# Altium PCB 线圈4.PcbDoc
Units mil, origin at the board's own origin, x right, y up, seen from the top; angles counter-clockwise.
Board outline 6000 x 4000 mil, 2 copper layers (Top Layer, Bottom Layer); 2 components, 2 nets, 7 pads, 1 vias.
Unrouted connection lines stored in the file: 1.
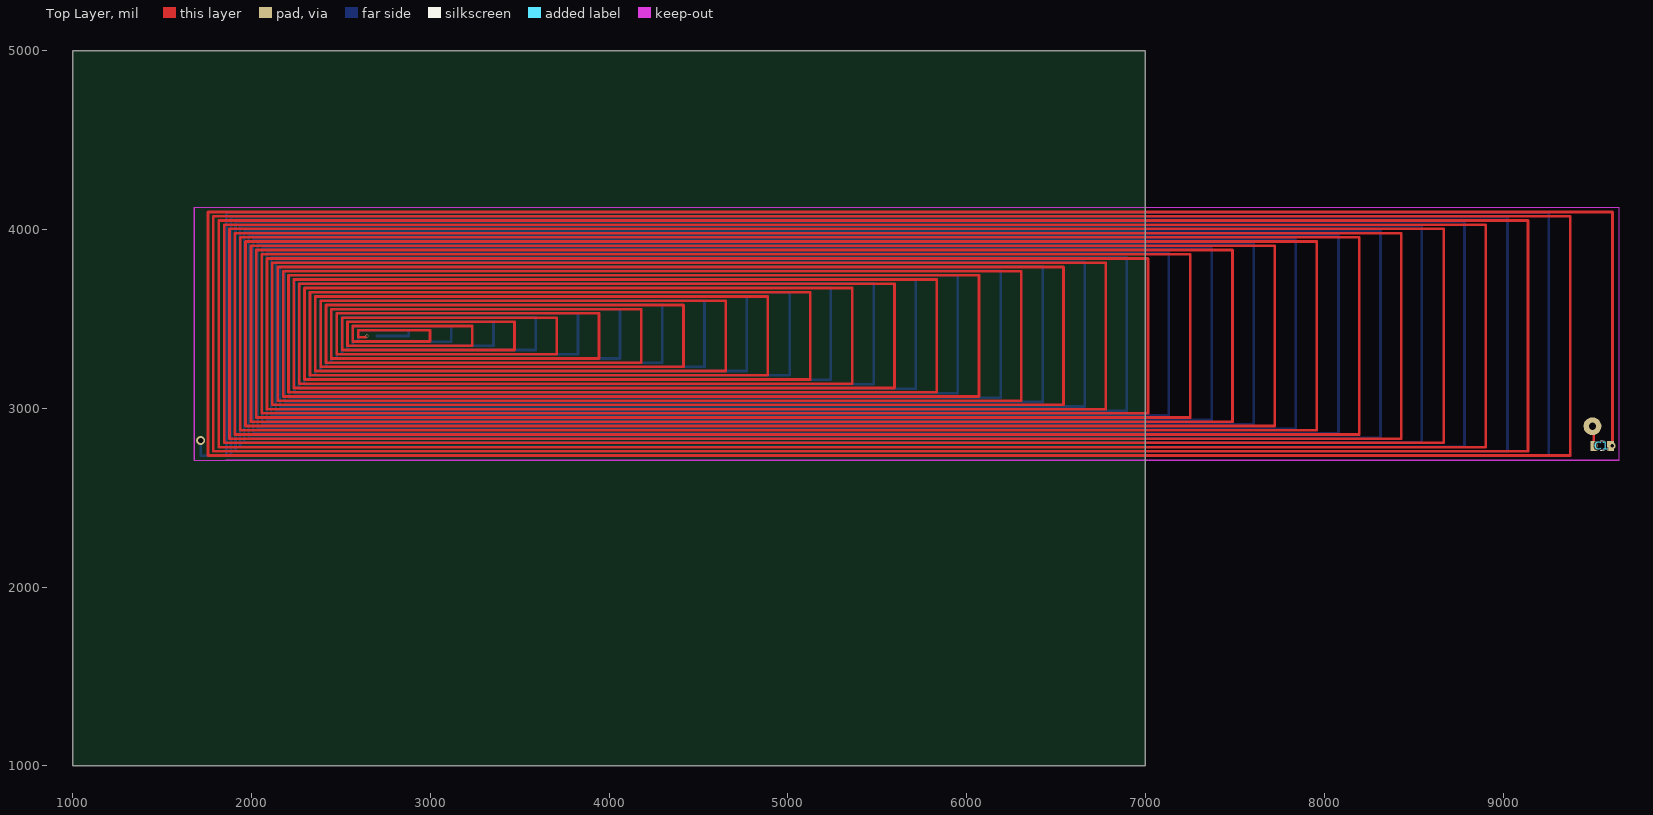
[diagram p0: Top Layer view]
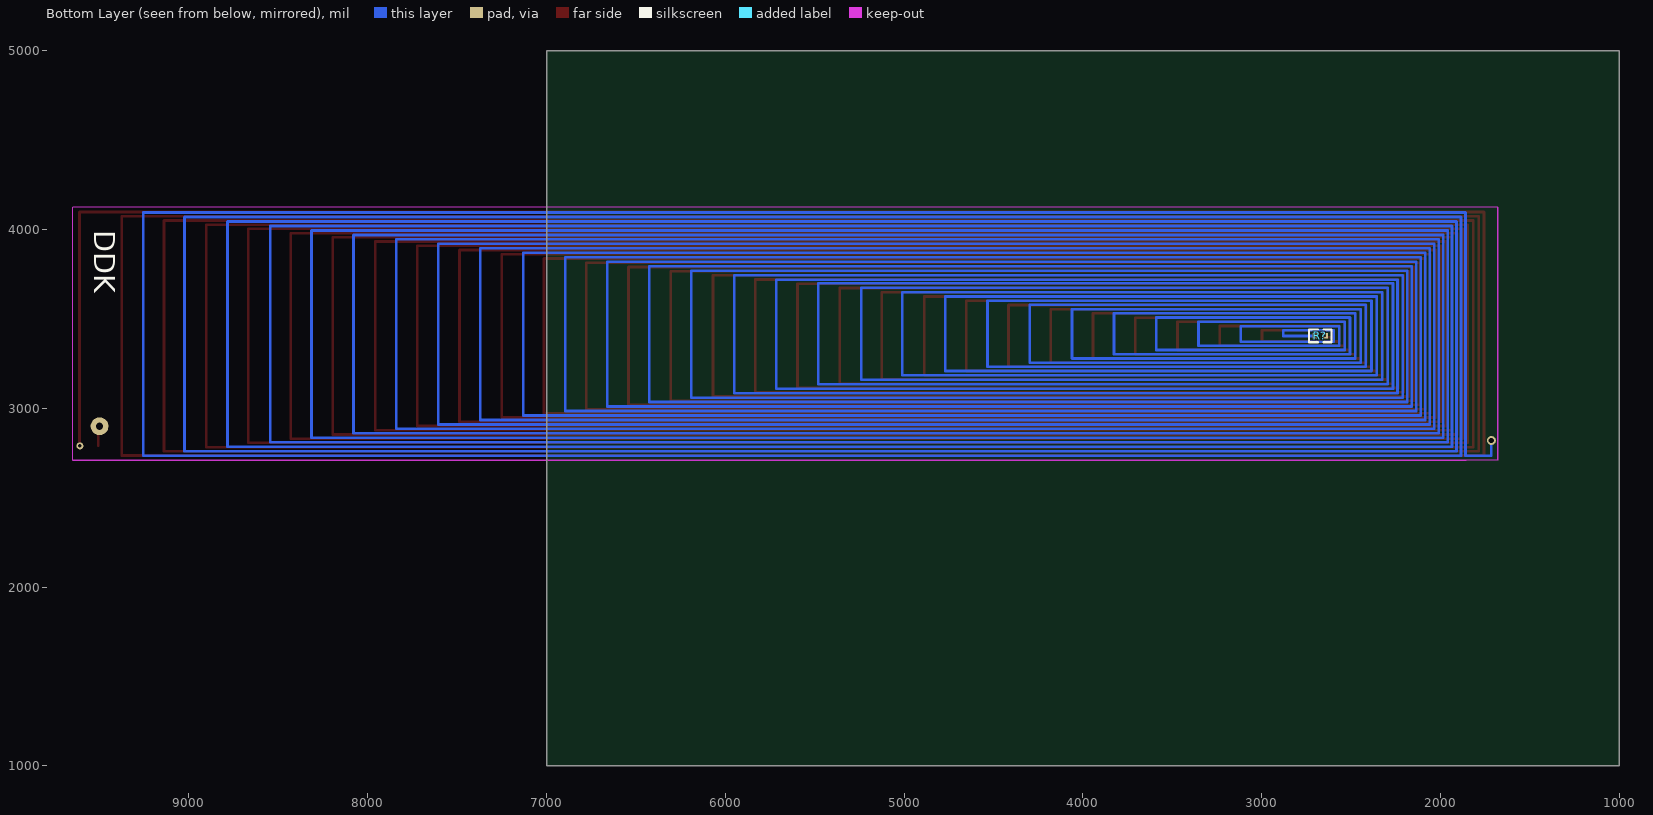
[diagram p1: Bottom Layer view, seen from below]

## Layer stack, top to bottom
Top Layer: signal copper 1.4
Dielectric: dielectric 12.6, FR-4, Dk 4.8
Bottom Layer: signal copper 1.4

## Board outline
1000,1000 7000,1000 7000,5000 1000,5000

## Design rules (kind name [scope] priority, off if disabled: settings)
Clearance [All] p1: gap=6
PolygonConnect [All] p1: connectstyle=Relief reliefconductorwidth=10 reliefentries=4 polygonreliefangle="90 Angle" airgapwidth=10
RoutingVias [All] p1: holewidth=28 width=50 viastyle="Through Hole" minholewidth=28 minwidth=50 maxholewidth=28 maxwidth=50
SolderMaskExpansion [All] p1: expansion=4
Width [All] p1: maxlimit=50 minlimit=6 preferedwidth=15 minimp=50.000000 maximp=50.000000 favimp=50.000000
28 further rules are at their usual default settings.

## Components (designator, comment, footprint, x,y, rotation, side; value= is the part's Value field where it differs from the comment)
C1 "Cap" C2012 9555,2790 r180 top
R? "Res2" 0603 2645,3405 r0 bottom

## Footprints (in the part's own frame and the unit in brackets; to place one, negate y for a bottom-side part, rotate by r counter-clockwise, add the part's x,y. Pads: shape width x height; smd on the part's side, far side on the other; paste and mask are expansions set on the pad)
0603 [mil]
  rect 30x30 smd: 1(0,0) 2(55,0)
  silkscreen extent -35,-35 90,35
C2012 [mm] "Chip Capacitor, 2-Leads, Body 2.0x1.2mm, IPC Low Density"
  rect 1x1.45 smd: 1(-1.2,0) 2(1.2,0)
  silkscreen extent -0.3,-0.63 0.3,0.63, body extent -0.98,-0.6 1.02,0.6, height 0.5

## Part data
C1: "Capacitor"
R?: "Resistor"

## Free pads (board coordinates)
  round 39.37 hole 19.68: 0(9610,2790)
  round 100 hole 40: 1(9500,2900)
  round 50 hole 30: 3(1715,2820)

## Via types
v1: diameter 18, hole 12, Top Layer to Bottom Layer, 1 vias

## Nets (pads, with @x,y where several pads share a name; then routed paths per layer and width w, separated by ;. In a path a pad name is that pad's centre, name@x,y a point inside that pad or via, vN(x,y) a via of type N, cw(c..) or ccw(c..) an arc to the next point about the centre after c; other vN are vias at no path point)
LINE1: C1.1 pad.0 R?.1 | length 273757.6
  Top Layer w15: 2476.6,3302.83 2476.6,3531.17 3943.21,3531.17 3943.21,3279.2 2446.6,3279.2 2446.6,3554.8 4179.43,3554.8 4179.43,3255.58 2416.6,3255.58 2416.6,3578.42 4415.65,3578.42 4415.65,3231.96 2386.6,3231.96 2386.6,3602.04 4651.87,3602.04 4651.87,3208.34 2356.6,3208.34 2356.6,3625.66 4888.09,3625.66 4888.09,3184.72 2326.6,3184.72 2326.6,3649.28 5124.31,3649.28 5124.31,3161.09 2296.6,3161.09 2296.6,3672.91 5360,3672.91 ; 2477,3303 3706.99,3303 3706.99,3507.55 2506.6,3507.55 2506.6,3326.45 3470.77,3326.45 3470.77,3483.93 ; v1(2645,3405) 2637.31,3397.31 2596.6,3397.31 2596.6,3436.68 2998.33,3436.68 2998.33,3373.69 2566.6,3373.69 2566.6,3460.31 3234.55,3460.31 3234.55,3350.07 2536.6,3350.07 2536.6,3483.93 3470,3483.93 ; 5360.54,3672.91 5360.54,3137.47 2266.6,3137.47 2266.6,3696.53 5596.76,3696.53 5596.76,3113.85 2236.6,3113.85 2236.6,3720.15 5832.98,3720.15 5832.98,3090.23 2206.6,3090.23 2206.6,3743.77 6069.2,3743.77 6069.2,3066.61 2176.6,3066.61 2176.6,3767.39 6305,3767.39 ; 6305.42,3767.39 6305.42,3042.98 2146.6,3042.98 2146.6,3791.02 6541.64,3791.02 6541.64,3019.36 2116.6,3019.36 2116.6,3814.64 6777.86,3814.64 6777.86,2995.74 2086.6,2995.74 2086.6,3838.26 7014.08,3838.26 7014.08,2972.12 2056.6,2972.12 2056.6,3861.88 7250.3,3861.88 7250.3,2948.5 2026.6,2948.5 2026.6,3885.5 7486.52,3885.5 7486.52,2924.87 1996.6,2924.87 1996.6,3909.13 7722.74,3909.13 7722.74,2901.25 1966.6,2901.25 1966.6,3932.75 7958.96,3932.75 7958.96,2877.63 1936.6,2877.63 1936.6,3956.37 8195,3956.37 ; 8195.18,3956.37 8195.18,2854.01 1906.6,2854.01 1906.6,3979.99 8431.4,3979.99 8431.4,2830.39 1876.6,2830.39 1876.6,4003.61 8667.62,4003.61 8667.62,2806.76 1846.6,2806.76 1846.6,4027.24 8903.84,4027.24 8903.84,2783.14 1816.6,2783.14 1816.6,4050.86 9140,4050.86 ; 9140.06,4050.86 9140.06,2759.52 1786.6,2759.52 1786.6,4074.48 9376.28,4074.48 9376.28,2735.9 1756.6,2735.9 1756.6,4098.1 9612.5,4098.1 pad.0@9612.5,2790
LINE2: C1.2 pad.1 pad.3 R?.2 | length 254879.5
  Top Layer w15: C1.2 pad.1@9507.76,2892.24
  Bottom Layer w15: pad.3@1730,2815 1715,2800 1715,2735 1860,2735 1860,4095 9255,4095 9255,2735 1885,2735 1885,4070 9025,4070 9025,2760 1910,2760 1910,4045 8785,4045 8785,2785 1935,2785 1935,4020 8545,4020 8545,2810 1960,2810 1960,3995 8315,3995 8315,2835 1985,2835 1985,3970 8080,3970 8080,2860 2010,2860 2010,3945 7840,3945 7840,2885 2035,2885 2035,3920 7605,3920 7605,2910 2060,2910 2060,3895 7370,3895 7370,2935 2085,2935 2085,3870 7130,3870 7130,2960 2110,2960 2110,3845 6895,3845 6895,2985 2135,2985 2135,3820 6660,3820 6660,3010 2160,3010 2160,3795 6425,3795 6425,3035 2185,3035 2185,3770 6190,3770 6190,3060 2210,3060 2210,3745 5950,3745 5950,3085 2240,3085 2240,3720 5715,3720 5715,3110 2265,3110 2265,3700 5480,3700 5480,3135 2295,3135 2295,3675 5240,3675 5240,3160 2325,3160 2325,3650 5010,3650 5010,3185 2357,3185 2357,3626 4770,3626 4770,3209 2386,3209 ; 2386,3210 2386,3602 4534,3602 4534,3232 2417,3232 2417,3579 4298,3579 4298,3255 2446,3255 2446,3555 4061,3555 4061,3279 2477,3279 ; 2477,3280 2477,3531 3826,3531 3826,3303 2506,3303 2506,3508 3589,3508 3589,3326 2536,3326 2536,3484 3353,3484 3353,3350 2566,3350 2566,3460 3117,3460 3117,3373 2597,3373 2597,3436 2880,3436 2880,3405 R?.2

## Keep-outs
Keep-Out Layer:
  lines w6: 1680,2708.34 1856.6,2708.34 ; 1680,4125.66 9650,4125.66 9650,2708.34
  lines w7.87: 1680,2708.34 1680,4125.66 ; 1856.6,2708.34 9650,2708.34

## Silkscreen, mask and mechanical layers (free items; w line width, h text height)
Bottom Overlay:
  text "DDK" at 9570,3995 h200 r90